# KiCad board jetson-orin-baseboard.kicad_pcb (continued)
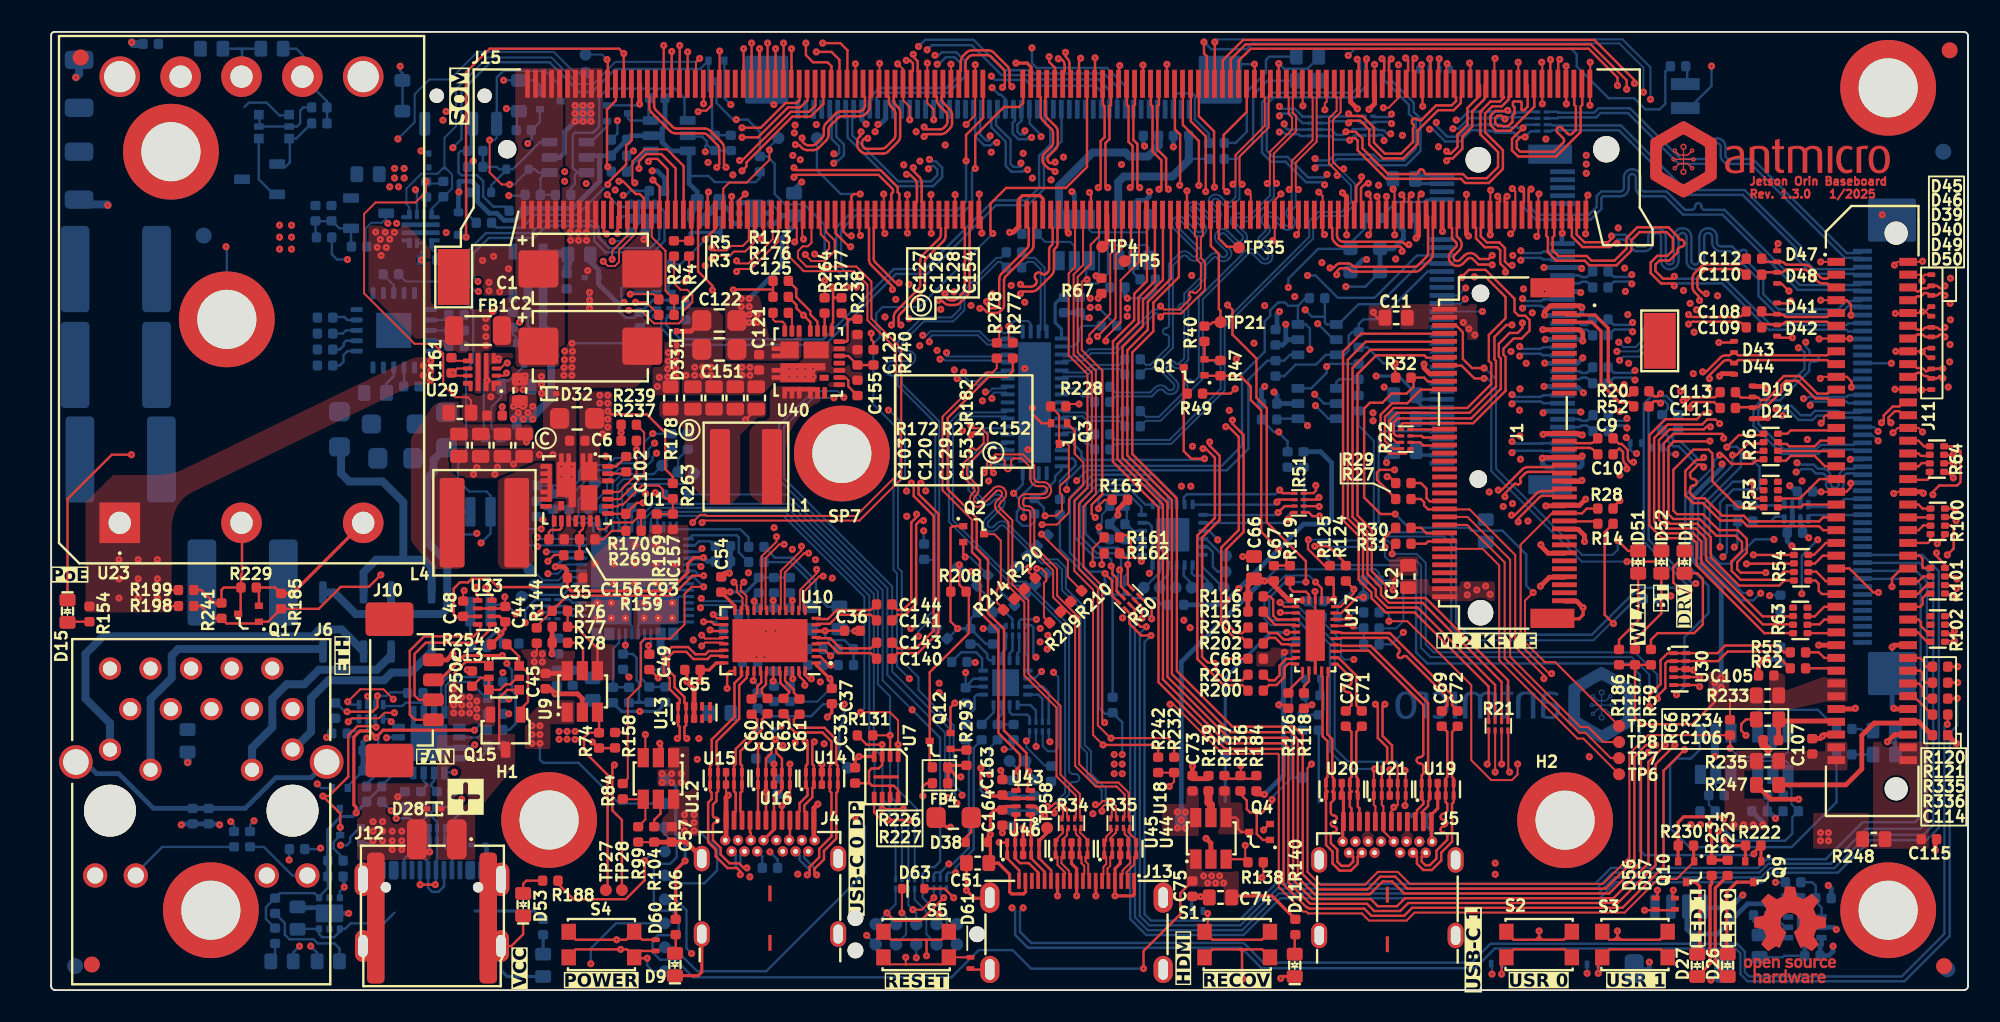
[diagram p0: board, top side]
## Routing (per net, layer and track width the routed paths; a pad name or vN(x,y) marks a point on that pad's centre or on a via; arc(x,y) is an arc through that point) (continued)
/HDMI/HDMI_HPD_5V: length 12.1
  Top w0.155: 60.6,6.75 60.6,7.5 59.85,8.25 U46.10 59.36,9.23 v1(59.35,9.25)
  Top w0.2: R226.2 56.13,13.94 56.72,13.35 v1(56.95,13.35) ; 57.3,14.06 56.25,14.06 ; 56.14,13.95 56.14,12.95
  In5.Cu w0.125: v1(56.95,13.35) 58.25,12.05 58.25,9.45 58.55,9.15 59.25,9.15 v1(59.35,9.25)
/HDMI/HDMI_HPD_5V_R: length 1
  Top w0.15: 57.3,15.03 56.31,15.03
/HDMI/HDMI_SCL_3V3: length 33
  Top w0.15: 58.65,24.25 58.65,26.95 57.94,27.66 57.94,29.56 56.12,31.38 56.12,35.83 58.7,38.4 59.85,38.4 60.2,38.75 60.2,39.56 ; 61.14,12.5 61.14,12.94 61.2,13 v1(61.2,13.7)
  Top w0.155: 58.65,24.25 58.65,23.6 59.65,22.6 59.65,16.25 61.05,14.85 61.05,13.85 v1(61.2,13.7)
  Bottom w0.15: TP57.1 61.2,14.14 v1(61.2,13.7)
  Bottom w0.155: v1(61.2,13.7) 61.55,13.35 61.55,13.14
/HDMI/HDMI_SCL_5V: length 5.2
  Top w0.155: 61.14,11 61.35,10.79 v1(61.35,9.8) 61.35,8.25 62.2,7.4 62.2,6.75
  Bottom w0.155: 61.55,10.27 61.35,10.06 v1(61.35,9.8)
/HDMI/HDMI_SDA_3V3: length 32.3
  Top w0.125: 57.65,29.45 55.8,31.3 55.8,35.9 58.58,38.67 58.92,38.67 59.2,38.95 59.2,39.56
  Top w0.15: 58.15,24.25 58.15,26.92 57.65,27.42 57.65,29.45 ; 60.56,12.5 60.56,13.64 v1(60.5,13.7)
  Top w0.155: 58.15,24.25 58.15,23.65 59.3,22.5 59.3,16.1 60.65,14.75 60.65,14.05 60.5,13.9 v1(60.5,13.7)
  Bottom w0.15: v1(60.5,13.7) 60.5,13.85 TP56.1
  Bottom w0.155: v1(60.5,13.7) 60.15,13.35 60.15,13.14
/HDMI/HDMI_SDA_5V: length 5.8
  Top w0.155: 61.8,6.75 61.8,7.35 61.2,7.95 60.65,7.95 60.35,8.25 U46.9 v1(60.35,9.8) 60.35,10.8 60.56,11
  Bottom w0.155: v1(60.35,9.8) 60.35,10.06 60.15,10.27
/M.2/32.7KHZ_OUT: length 25.4
  Top w0.15: v1(83.63,32.15) 83.77,32.15 R29.2
  In5.Cu w0.15: v1(83.63,32.15) 82.97,32.15 80.04,35.09 79.29,35.09 79.1,34.9 77.55,34.9 77.12,35.33 77.12,39.5 77.72,40.09 77.72,42.48 77.3,42.9 77.3,43.55 77.45,43.7 v1(77.45,44)
  Bottom w0.15: v1(77.45,44) 77.45,44.55 79.32,46.42 81.34,46.42 81.34,46.78 82.27,47.7 82.27,48.35
/M.2/C_PCIE0_TX0_N: length 2.1
  Bottom w0.155: 96.5,44 96.19,44.31 arc(96.14,44.34) 96.08,44.36 95.85,44.36 arc(95.8,44.34) 95.75,44.31 95.73,44.29 arc(95.68,44.26) 95.63,44.25 94.53,44.25
/M.2/C_PCIE0_TX0_P: length 2.1
  Bottom w0.155: 96.5,45 96.19,44.69 arc(96.14,44.66) 96.08,44.64 95.85,44.64 arc(95.8,44.66) 95.75,44.69 95.73,44.71 arc(95.68,44.74) 95.63,44.75 94.53,44.75
/M.2/C_PCIE0_TX1_N: length 2.1
  Bottom w0.155: 94.53,41.25 95.63,41.25 arc(95.68,41.26) 95.73,41.29 95.75,41.31 arc(95.8,41.34) 95.85,41.36 96.08,41.36 arc(96.14,41.34) 96.19,41.31 96.5,41
/M.2/C_PCIE0_TX1_P: length 2.1
  Bottom w0.155: 94.53,41.75 95.63,41.75 arc(95.68,41.74) 95.73,41.71 95.75,41.69 arc(95.8,41.66) 95.85,41.64 96.08,41.64 arc(96.14,41.66) 96.19,41.69 96.5,42
/M.2/C_PCIE0_TX2_N: length 2.1
  Bottom w0.155: 96.5,38 96.19,38.31 arc(96.14,38.34) 96.08,38.36 95.85,38.36 arc(95.8,38.34) 95.75,38.31 95.73,38.29 arc(95.68,38.26) 95.63,38.25 94.53,38.25
/M.2/C_PCIE0_TX2_P: length 2.1
  Bottom w0.155: 96.5,39 96.19,38.69 arc(96.14,38.66) 96.08,38.64 95.85,38.64 arc(95.8,38.66) 95.75,38.69 95.73,38.71 arc(95.68,38.74) 95.63,38.75 94.53,38.75
/M.2/C_PCIE0_TX3_N: length 2.2
  Bottom w0.155: 94.53,35.25 95.63,35.25 arc(95.68,35.26) 95.73,35.29 95.75,35.31 arc(95.8,35.34) 95.85,35.36 96.1,35.36 arc(96.16,35.34) 96.2,35.31 96.52,35
/M.2/C_PCIE0_TX3_P: length 2.2
  Bottom w0.155: 94.53,35.75 95.63,35.75 arc(95.68,35.74) 95.73,35.71 95.75,35.69 arc(95.8,35.66) 95.85,35.64 96.1,35.64 arc(96.16,35.66) 96.2,35.69 96.52,36
/M.2/C_PCIE1_TX0_N: length 2.3
  Top w0.155: C10.2 96.52,33.85 arc(96.41,33.92) 96.27,33.95 95.48,33.95 95.38,33.85 94.75,33.85
/M.2/C_PCIE1_TX0_P: length 2.2
  Top w0.155: C9.2 96.62,34.35 arc(96.51,34.28) 96.37,34.25 95.48,34.25 95.38,34.35 94.75,34.35
/M.2/M2_E_I2C_CLK: length 2
  Top w0.15: 85.33,27.95 86.05,27.95 86.2,28.1 87.25,28.1
/M.2/M2_E_I2C_DAT: length 2.1
  Top w0.15: 85.33,28.95 85.75,28.95 86.1,28.6 87.25,28.6
/M.2/M2_E_PCM_CLK: length 34.8
  Top w0.15: 87.25,41.1 82,41.1 80.88,39.97 80.88,29.42 81.85,28.45 81.85,25.7 82.65,24.9 82.65,24.55 83.55,23.65 85.35,23.65 89.99,19.01 89.99,16.89
/M.2/M2_E_PCM_IN: length 33.4
  Top w0.15: 90.8,16.89 90.8,19.3 85.85,24.25 83.75,24.25 83.25,24.75 83.25,25.21 82.4,26.06 82.4,28.7 81.47,29.63 81.47,38.97 82.6,40.1 87.25,40.1
/M.2/M2_E_PCM_OUT: length 32.9
  Top w0.15: 87.25,39.6 86.1,39.6 85.95,39.75 82.95,39.75 81.78,38.58 81.78,29.72 82.67,28.83 82.67,26.22 83.55,25.35 83.55,24.85 83.85,24.55 86.05,24.55 91.21,19.39 91.21,16.89
/M.2/M2_E_PCM_SYNC: length 34.1
  Top w0.15: 90.39,16.89 90.39,19.11 85.55,23.95 83.65,23.95 82.92,24.67 82.92,25.08 82.12,25.88 82.12,28.58 81.17,29.53 81.17,39.47 82.3,40.6 87.25,40.6
/M.2/M2_E_SUSCLK: length 2.7
  Top w0.15: 87.25,30.6 86.3,30.6 86.1,30.8 86.1,31.4 85.75,31.75 85.33,31.75
/M.2/M2_E_UART_CTS: length 2.2
  Top w0.15: 87.25,34.6 85.9,34.6 85.8,34.7 85.1,34.7
/M.2/M2_E_UART_RTS: length 2.2
  Top w0.15: 87.25,34.1 85.9,34.1 85.7,34.3 R22.6
/M.2/M2_E_UART_RX: length 8.8
  Top w0.15: 85.1,33.9 84.8,33.6 83.8,33.6 83.22,34.18 83.22,36.02 83.95,36.75 84.9,36.75 85.75,37.6 87.25,37.6
/M.2/M2_E_UART_TX: length 2.2
  Top w0.15: R22.8 87.25,35.1
/M.2/M2_E_W_DIS_1: length 20.5
  Top w0.125: 87.23,29.13 88.64,29.13 90.99,26.78 90.99,20.78 95.67,16.11 96.05,16.11 97.63,14.53 TP7.1
/M.2/M2_E_W_DIS_2: length 20.3
  Top w0.125: TP8.1 97.17,15.53 96.22,16.47 95.73,16.47 91.33,20.87 91.33,26.95 88.66,29.63 87.23,29.63
/M.2/M2_M_SMB_CLK: length 22.3
  In1.Cu w0.125: v1(98.19,39.44) 98.47,39.72 99.21,39.72 100.06,40.56 100.06,42.56 99.34,43.28 97.86,43.28 96.39,44.75 92.92,44.75 92.77,44.9 91.62,44.9 90.73,44 90.73,42.88 90.34,42.5 v1(89.6,42.5)
  Bottom w0.125: v1(89.6,42.5) 89.6,42.5 J2.40 ; 100.34,39.93 99.69,39.93 99.43,39.67 98.42,39.67 v1(98.19,39.44)
/M.2/M2_M_SMB_DATA: length 22.7
  In1.Cu w0.125: 88.52,43.28 v1(88.53,43.28) 88.53,42.94 89.4,42.07 90.39,42.07 91,42.68 91,43.91 91.72,44.62 92.64,44.62 92.8,44.47 96.27,44.47 97.75,43 99.21,43 99.79,42.41 99.79,40.69 99.1,40 v1(98.02,40)
  Bottom w0.125: v1(88.53,43.28) 88.25,43 J2.42 ; TP11.1 99.35,40 v1(98.02,40)
/M.2/M2_M_SUSCLK: length 4.3
  Bottom w0.15: 83.23,48.39 84.2,49.35 85.95,49.35 86.1,49.5 87.03,49.5
/M.2/PCIE_WAKE_SEL0: length 2.9
  Bottom w0.15: 81.86,37.23 81.86,38.23 ; 81.85,38.25 80.62,38.25 80.45,38.07 U2.1
/M.2/PCIE_WAKE_SEL1: length 2.1
  Top w0.15: R14.2 96.67,29.35 94.75,29.35
/M.2/USB_E_N: length 8.4
  Top w0.2: 94.75,41.85 94.78,41.83 96.46,41.83 97.03,41.26 97.03,37.96 98.18,36.8 98.82,36.8 99.06,36.55
/M.2/USB_E_P: length 8.5
  Top w0.2: 99.06,37.5 98.82,37.25 98.37,37.25 97.47,38.14 97.47,41.44 96.64,42.28 94.83,42.28 94.75,42.35
/M.2/~{LED1}: length 23.3
  Top w0.15: v1(89.7,38.95) 88.95,38.95 88.38,39.53 88.38,41.2 87.97,41.6 87.25,41.6 ; v1(98.07,28.15) 98.72,27.5 D51.1
  Bottom w0.125: v1(98.07,28.15) 98.07,27.57 97.75,27.25 95.85,27.25 90.46,32.64 90.46,32.9 90.45,32.9 90.45,38.25 89.75,38.95 v1(89.7,38.95)
/M.2/~{LED2}: length 22.5
  Top w0.15: v1(98.65,26.83) 100.68,26.83 100.8,26.95 D52.1 ; 87.25,39.1 88.3,39.1 89.1,38.3 v1(89.7,38.3)
  Bottom w0.125: v1(98.65,26.83) 95.82,26.83 90.15,32.5 90.15,38.05 89.9,38.3 v1(89.7,38.3)
/M.2/~{M2_E_ALERT}: length 20.3
  Top w0.125: 87.23,27.63 89.61,27.63 90.65,26.59 90.65,20.65 95.56,15.75 95.92,15.75 TP6.1
/M.2/~{M2_E_UART_WAKE}: length 37.4
  Top w0.125: v1(92.78,24.89) 92.27,24.39 92.27,21.78 93.52,20.53 94.17,20.53 TP9.1
  Top w0.15: 87.25,38.1 86.2,38.1 85.95,38.35 85.28,38.35 85.28,37.78 84.85,37.35 83.91,37.35 83.34,36.78 82.56,36.78 82.19,36.42 82.19,30.84 83.23,29.81 v1(84.14,29.81)
  Bottom w0.15: v1(92.78,24.89) 92.34,25.33 92.34,27.28 90.85,28.77 88.89,28.77 88.71,28.95 84.99,28.95 v1(84.14,29.81)
/M.2/~{M2_M_ALERT}: length 24.2
  In1.Cu w0.125: v1(88.55,43.97) 88.12,43.54 88.12,43.53 88.05,43.46 88.05,42.89 89.16,41.78 90.52,41.78 91.3,42.56 91.3,43.81 91.83,44.34 92.52,44.34 92.66,44.2 96.05,44.2 97.5,42.74 99.06,42.74 99.51,42.28 99.51,40.81 98.94,40.25 98.46,40.25 v1(98.14,40.56)
  Bottom w0.125: 100.34,42.08 99.64,41.38 99.64,40.72 99.19,40.27 98.43,40.27 v1(98.14,40.56) ; v1(88.55,43.97) 88.08,43.5 J2.44
/M.2/~{M2_M_CLKREQ0}: length 22.1
  In5.Cu w0.15: v1(78.65,35.35) 78.03,35.35 77.55,35.83 77.55,39.4 78,39.85 78,42.17 78.42,42.6 v1(78.5,42.6)
  Bottom w0.15: 87.03,45.5 85.69,45.5 83.14,42.95 81.85,42.95 80.58,41.68 ; 79.73,42.17 79.73,41.8 79.85,41.68 U3.1 ; 79.73,42.17 79.73,43.33 ; 79.73,42.17 78.94,42.17 v1(78.5,42.6) ; 78.22,35.78 v1(78.65,35.35) ; U2.4 76.78,35.78
/M.2/~{M2_M_PERST}: length 13.9
  Bottom w0.15: 87.03,45 86.17,45 83.17,42 82.15,42 81.85,41.7 81.85,41.22 81.45,41.22 81.23,40.99 81.23,40.06 80.95,39.78 U3.3 79.79,39.78 79.18,39.17 77.91,39.17 77.19,38.44 76.65,38.44
/M.2/~{M2_M_PEWAKE0}: length 21.9
  In5.Cu w0.15: v1(79.85,39.05) 79.4,39.05 79.28,39.17 79.28,40.28 79,40.55 78.6,40.55 78.38,40.78 78.38,41.78 78.97,42.38 78.97,42.83 78.65,43.15 v1(78.65,44.75)
  Bottom w0.15: 87.03,46 85.5,46 82.85,43.35 80.55,43.35 79.15,44.75 v1(78.65,44.75) ; U2.6 78.88,37.68 79.85,38.65 v1(79.85,39.05) 80.02,39.22 81.85,39.22
/Peripherals/FAN_PWM_5V: length 10.8
  Top w0.15: 26.85,22.9 26.85,22.56 26.45,22.15 23.35,22.15 22.45,21.25 22.45,17.25 22.77,16.92 23.8,16.92
/Peripherals/FAN_TACH_5V: length 9.4
  Top w0.15: 23.8,18.17 23.02,18.17 22.75,18.45 22.75,21.05 23.45,21.75 26.65,21.75 27.44,22.54 27.44,22.9
/Peripherals/GPIO01_CONN: length 3.6
  Top w0.15: 111.75,33.6 111.6,33.75 108.17,33.75
/Peripherals/GPIO07_CONN: length 4
  Top w0.15: 108.1,33.15 108.6,33.15 108.9,33.45 110.4,33.45 111.05,32.8 111.75,32.8
/Peripherals/GPIO09_CONN: length 4.2
  Top w0.15: J11.35 110.69,32 109.47,30.78 108.1,30.78
/Peripherals/GPIO11_CONN: length 1.4
  Top w0.15: 116.25,29.6 117.65,29.6
/Peripherals/GPIO12_CONN: length 1.5
  Top w0.15: 116.25,30.4 116.9,30.4 117.15,30.15 117.65,30.15
/Peripherals/GPIO13_CONN: length 1.7
  Top w0.15: R64.4 117.6,32.1 117.45,31.95 116.3,31.95
/Peripherals/GPIOEX_ADDR: length 3.1
  Bottom w0.155: 56.36,20.55 56.97,21.15 57.9,21.15 58.28,20.77 58.28,20.07 U34.16
/Peripherals/GPIOEX_I2C_SCL: length 1.5
  Bottom w0.15: 58.25,16.64 59,17.39 U34.12
/Peripherals/GPIOEX_I2C_SDA: length 2.6
  Bottom w0.15: 57.25,16.64 57.25,17.05 57.8,17.6 57.8,18.35 57.95,18.5 U34.13
/Peripherals/GPIOEX_P0_0: length 1.4
  Bottom w0.15: 59.78,21.98 59.78,21.38 59.5,21.1 U34.2
/Peripherals/GPIOEX_P0_1: length 1.4
  Bottom w0.15: U34.3 60,21.08 60.18,21.26 60.18,21.98
/Peripherals/GPIOEX_P0_2: length 1.6
  Bottom w0.15: U34.4 60.5,21.1 60.6,21.2 60.6,22.19 R25.6
/Peripherals/GPIOEX_P0_3: length 2
  Bottom w0.15: 60.99,21.98 60.99,21.06 61.15,20.9 U34.5
/Peripherals/GPIOEX_P0_4: length 3.3
  Bottom w0.15: R195.8 62.45,18.65 62.1,19 U34.7
/Peripherals/GPIOEX_P0_5: length 2.5
  Bottom w0.15: 62.05,16.8 62.05,18.25 61.8,18.5 U34.8
/Peripherals/GPIOEX_P0_6: length 2
  Bottom w0.15: U34.9 61.3,17.85 61.65,17.5 R195.6
/Peripherals/GPIOEX_P0_7: length 2.1
  Bottom w0.15: 61.25,16.8 61.25,17.1 61.1,17.25 60.15,17.25 60,17.4 U34.10
/Peripherals/GPIOEX_RESET: length 2
  Bottom w0.15: U34.1 58.75,20.65 58.6,20.8 58.6,21.05 57.98,21.67 57.55,21.67
/Peripherals/I2C_CONN_3V3: length 10.1
  Bottom w0.3: 108.73,3.28 108.37,3.28 107.53,4.11 107.53,5.14 107.28,5.4 106.2,5.4 104.31,3.51 102.69,3.51 102.4,3.8 102.4,5.22
/Peripherals/I2C_CONN_PEN: length 3.1
  Bottom w0.15: U35.4 110.83,5.17 110.47,5.53 110.47,6.53 110.25,6.75 109.53,6.75
/Peripherals/I2S0_LRCK_CONN: length 2
  Top w0.15: 111.75,27.2 110.9,27.2 110.4,26.7 110,26.7
/Peripherals/I2S0_SCLK_CONN: length 1.9
  Top w0.15: 116.25,28 117.5,28 117.65,28.15 R100.4
/Peripherals/I2S0_SDIN_CONN: length 2.1
  Top w0.15: 111.75,28 111.1,28 110.35,27.25 R54.4
/Peripherals/I2S0_SDOUT_CONN: length 2.1
  Top w0.15: R101.1 117.17,26.43 117.15,26.45 117.15,27.03 116.97,27.2 116.25,27.2
/Peripherals/MISO: length 7.8
  Top w0.15: v1(55.88,5.78) 54.44,4.34 52.81,4.34 v1(52.32,4.83)
  Bottom w0.125: v1(55.88,5.78) 55.66,6 R112.2 ; J9.6 v1(52.32,4.83) 52.86,5.37 R204.4
/Peripherals/MOSI: length 4.6
  Top w0.125: v1(55.26,5.78) 54.52,5.03 v1(53.94,5.03)
  Bottom w0.125: J9.8 54.16,4.82 v1(53.94,5.03) 53.66,5.32 R204.2 ; v1(55.26,5.78) R112.3
  Bottom w0.15: 54.15,4.14 J9.8
/Peripherals/PCIE2_CLKREQ_CONN*: length 3.9
  Top w0.15: R26.3 108.21,34.2 108.65,34.2 108.8,34.05 110.4,34.05 110.75,34.4 111.75,34.4
/Peripherals/PCIE2_RST_CONN*: length 3.8
  Top w0.15: 111.75,35.2 111.6,35.05 108.9,35.05 108.69,34.84 R26.4
/Peripherals/PCIE2_TX0_CONN_N: length 4.3
  Top w0.155: 107.28,42.3 108.3,42.3 arc(108.42,42.28) 108.51,42.21 108.53,42.19 arc(108.58,42.16) 108.64,42.15 111.14,42.15 arc(111.19,42.16) 111.24,42.19 111.45,42.4
/Peripherals/PCIE2_TX0_CONN_P: length 4.3
  Top w0.155: 111.45,41.6 111.24,41.81 arc(111.19,41.84) 111.14,41.85 108.64,41.85 arc(108.58,41.84) 108.53,41.81 108.51,41.79 arc(108.42,41.72) 108.3,41.7 107.28,41.7
/Peripherals/PCIE2_TX1_CONN_N: length 4.6
  Top w0.155: 107.28,45.6 108.3,45.6 arc(108.42,45.58) 108.51,45.51 108.56,45.47 arc(108.61,45.44) 108.66,45.42 109.76,45.42 arc(109.95,45.39) 110.11,45.28 110.74,44.65 arc(110.85,44.58) 110.99,44.55 111.14,44.55 arc(111.19,44.56) 111.24,44.59 111.45,44.8
/Peripherals/PCIE2_TX1_CONN_P: length 4.7
  Top w0.155: 107.24,44.95 D48.1 108.3,44.95 arc(108.42,44.97) 108.51,45.04 108.56,45.08 arc(108.61,45.11) 108.66,45.13 109.7,45.13 arc(109.83,45.1) 109.95,45.02 110.57,44.4 arc(110.73,44.29) 110.93,44.25 111.14,44.25 arc(111.19,44.24) 111.24,44.21 111.45,44
/Peripherals/PCIE3_CLKREQ_CONN*: length 1.4
  Top w0.15: 116.25,33.6 116.9,33.6 117.05,33.45 117.55,33.45
/Peripherals/PCIE3_RST_CONN*: length 1.5
  Top w0.15: 117.6,34.05 117.25,34.05 116.9,34.4 116.25,34.4
/Peripherals/PCIE_WAKE_SEL_EXT_CONN: length 1.4
  Top w0.15: 116.25,32.8 116.9,32.8 117.1,33 117.6,33
/Peripherals/SCK: length 5.4
  Top w0.125: 53.26,4.83 D63.1
  Top w0.15: v1(53.26,4.83) 53.26,4.83
  Bottom w0.125: R204.3 v1(53.26,4.83) 53.52,4.57 53.52,3.49 J9.4
/Peripherals/SPI1_MISO_CONN: length 2
  Top w0.15: R101.4 117.43,24.83 117.15,24.55 117.15,24.15 117,24 116.25,24
/Peripherals/SPI1_MOSI_CONN: length 1.6
  Top w0.15: R101.3 117.41,25.36 116.85,24.8 J11.54
/Peripherals/SPI1_SCK_CONN: length 1.5
  Top w0.15: R101.2 117.2,25.9 116.9,25.6 J11.52
/Peripherals/SPIO_MISO_CONN: length 2
  Top w0.15: 109.95,23.4 110.4,23.4 111,24 111.75,24
/Peripherals/SPIO_MOSI_CONN: length 2.4
  Top w0.15: 110,25.65 110.45,25.65 110.65,25.45 110.65,25 110.85,24.8 J11.53
/Peripherals/SPIO_SCK_CONN: length 2
  Top w0.15: J11.51 111.1,25.6 110.5,26.2 110,26.2
/Peripherals/UART1_RXD_CONN: length 3.7
  Top w0.15: 111.75,30.4 109.7,30.4 109.55,30.25 108.1,30.25
/Peripherals/UART1_TXD_CONN: length 1.5
  Top w0.15: 116.25,28.8 116.9,28.8 117.2,29.1 117.65,29.1
/Peripherals/USB_CONN_N: length 16.6
  Top w0.155: 111.75,29.6 110.92,29.6 110.67,29.35 106.31,29.35 105.96,29.7 104.61,29.7 103.51,30.8 102.91,30.8 102.6,31.11 102.6,31.4 arc(102.66,31.54) 102.8,31.6 102.82,31.6 arc(102.96,31.66) 103.02,31.8 arc(102.96,31.94) 102.82,32 102.8,32 arc(102.66,32.06) 102.6,32.2 102.6,32.39 103.11,32.9 103.3,32.9 v1(103.45,32.75)
  Bottom w0.155: 100.85,35.06 101.2,34.71 101.2,34.39 101.54,34.05 101.89,34.05 103.04,32.9 103.3,32.9 v1(103.45,32.75)
/Peripherals/USB_CONN_P: length 16.6
  Top w0.155: v1(103.45,33.35) 103.3,33.2 102.99,33.2 102.3,32.51 102.3,30.99 102.79,30.5 103.39,30.5 104.49,29.4 105.84,29.4 106.19,29.05 110.67,29.05 110.92,28.8 111.75,28.8
  Bottom w0.155: 101.85,35.06 101.5,34.71 101.5,34.51 101.66,34.35 102.01,34.35 103.16,33.2 103.3,33.2 v1(103.45,33.35)
/Peripherals/USBSS2_TX_CONN_N: length 7.6
  Top w0.155: 111.45,37.6 111.2,37.35 110.56,37.35 109.46,38.45 108.46,38.45 108,37.99 108,37.59 107.36,36.95 107.02,36.95 106.87,37.1 105.78,37.1 105.44,37.44
/Peripherals/USBSS2_TX_CONN_P: length 7.5
  Top w0.155: 105.44,36.45 105.49,36.5 106.87,36.5 107.02,36.65 107.49,36.65 108.3,37.46 108.3,37.86 108.59,38.15 109.34,38.15 110.44,37.05 111.2,37.05 111.45,36.8
/Peripherals/~{CS}: length 4
  Bottom w0.125: R204.1 54.06,5.66 54.79,4.93 54.79,3.5 J9.2
/Peripherals/~{SPI0_CS0_CONN}: length 1.9
  Top w0.15: 109.95,22.9 110.7,22.9 111,23.2 111.75,23.2
/Peripherals/~{SPI0_CS1_CONN}: length 1.8
  Top w0.15: 109.95,22.35 111.6,22.35 111.7,22.45
/Peripherals/~{SPI1_CS0_CONN}: length 1.9
  Top w0.15: R102.3 117.51,22.34 117.05,22.8 117.05,23.05 116.9,23.2 116.25,23.2
/Peripherals/~{SPI1_CS1_CONN}: length 1.6
  Top w0.15: R102.4 117.44,21.81 116.85,22.4 116.25,22.4
/SoM/DEBUG_RXD_1V8: length 3.2
  Top w0.15: 35.1,48.54 35.1,49.52 v1(34.81,49.81)
  Bottom w0.15: 36.3,49.06 35.56,49.06 v1(34.81,49.81)
/SoM/DEBUG_TXD_1V8: length 2.9
  Top w0.15: 35.6,48.54 35.46,48.41 v1(35.46,47.38)
  Bottom w0.15: 36.3,48.47 35.81,48.47 35.46,48.11 v1(35.46,47.38)
/SoM/PMIC_BBAT: length 95.6
  Top w0.15: 35.85,56.74 35.85,58.65 v1(35.85,58.65) 35.55,58.95 27.45,58.95 25.97,57.47 v1(25.97,47.15)
  In2.Cu w0.15: v1(35.85,58.65) 35.85,57.8 36.15,57.5 47.75,57.5 49.78,59.53 71.08,59.53 71.75,58.85 80.88,58.85 v1(81.2,58.53)
  Bottom w0.15: v1(81.2,58.53) 81.62,58.95 95.15,58.95 95.5,58.6 95.5,57.85 97.5,55.85 99.1,55.85 99.8,55.15 100.7,55.15 101.05,55.5 101.05,57.53 101.37,57.85 ; D34.1 25.65,47.15 v1(25.97,47.15)
/SoM/SLEEP/~{WAKE}: length 33.1
  Top w0.15: 34.6,48.54 34.6,47.53 v1(34.77,47.35)
  In1.Cu w0.15: v1(21.71,53.3) 23.8,53.3 30.65,46.45 33.87,46.45 v1(34.77,47.35)
  Bottom w0.125: TP2.1 32.77,57.45 31.47,58.75 26.69,58.75 24.96,57.02 23.68,57.02 22.76,56.1 22.76,54.35 v1(21.71,53.3)
/SoM/~{FORCE_RECOVERY}: length 77.7
  Top w0.125: v1(72.4,4.8) 72.4,3.85 S1.1
  Top w0.15: v1(41.15,49.97) 41.1,49.92 41.1,48.54
  Top w0.155: S1.2 75.8,3.15 72.7,3.15 S1.1
  In1.Cu w0.15: v1(41.15,49.97) 40.47,49.3 40.47,44.8 40.67,44.6 41.9,44.6 42.18,44.32 44.77,44.32 45.43,43.66 45.43,41.71 45.84,41.3 47.26,41.3 52.25,36.31 v1(52.41,36.31)
  In5.Cu w0.125: v1(72.4,4.8) 71.65,4.8 71.25,5.2 71.25,8.45 70.95,8.75 58.15,8.75 57.9,9 57.9,11.33 v1(57.03,12.2)
  Bottom w0.125: v1(72.4,4.8) 72.25,4.95 72.1,4.95 ; v1(57.03,12.2) 57.03,12.32 56.5,12.85 56.5,16.58 54.3,18.78 54.3,19.58 53.25,20.62 53.25,26.2 53.02,26.44 53.02,31.75 53.45,32.18 53.45,35.33 52.47,36.31 v1(52.41,36.31)
/SoM/~{MOD_SLEEP}: length 7.1
  Top w0.15: 50.1,48.54 50.1,49.7 50.25,49.85 v1(50.65,49.85)
  Bottom w0.15: v1(50.65,49.85) 49.43,49.85 47.94,51.34 TP3.1
/USB3/USBC1_ADDR: length 2.9
  Top w0.15: 80.34,22.81 81.5,22.81 v1(81.5,22.8)
  Bottom w0.15: v1(81.5,22.8) 81.65,22.65 82.17,22.65 82.17,21.65
/USB3/USBC1_CC1: length 18.3
  Top w0.13: 82.8,12.06 82.8,11.6 82.9,11.5 J5.A5 ; U21.10 82.8,12.19 ; 82.8,12.83 82.8,13.8 v1(82.85,13.85) ; v1(76.95,23.65) 77,23.61 77.94,23.61
  Bottom w0.13: v1(76.95,23.65) 78.05,23.65 80.05,21.65 80.05,14.95 81.15,13.85 v1(82.85,13.85)
/USB3/USBC1_CC2: length 28.2
  Top w0.13: 84.8,12.83 84.8,13.7 v1(84.75,13.75) ; v1(84.75,11.55) 84.8,11.6 84.8,12.06 ; v1(76.93,24.27) 77.19,24 77.91,24 ; 84.8,12.19 84.8,12.96
  In3.Cu w0.13: v1(84.75,11.55) 84.75,10.75 85.15,10.35 86.65,10.35 87.35,9.65 87.35,9.15 86.95,8.75 86.95,8.25 86.35,7.65 84.95,7.65 84.45,8.15 J5.B5
  Bottom w0.13: v1(84.75,13.75) 84.2,14.3 81.2,14.3 80.35,15.15 80.35,21.75 77.83,24.27 v1(76.93,24.27)
/USB3/USBC1_CONN_TX1_N: length 6.2
  Top w0.155: 81.3,12.31 81.4,12.41 81.4,12.44 81.3,12.54 81.3,12.96 ; 81.3,12.83 81.3,13.25 81.4,13.35 81.4,16.16 81.05,16.52 ; 81.3,12.06 81.3,11.48 81.4,11.38 J5.A2
/USB3/USBC1_CONN_TX1_P: length 6.2
  Top w0.155: J5.A3 81.9,11.38 81.8,11.48 81.8,12.06 ; 81.8,12.96 81.8,12.54 81.7,12.44 81.7,12.41 81.8,12.31 ; 81.8,12.83 81.8,13.25 81.7,13.35 81.7,16.16 82.05,16.52
/USB3/USBC1_CONN_TX2_N: length 11.7
  Top w0.155: 87.05,16.52 87.4,16.16 87.4,13.35 87.3,13.25 87.3,12.83 ; J5.B2 85.8,8.35 85.8,8.04 86.02,7.82 86.31,7.82 86.72,8.23 86.72,8.73 87.4,9.41 87.4,9.65 arc(87.34,9.79) 87.2,9.85 87.18,9.85 arc(87.04,9.91) 86.98,10.05 arc(87.04,10.19) 87.18,10.25 87.2,10.25 arc(87.34,10.31) 87.4,10.45 arc(87.34,10.59) 87.2,10.65 87.18,10.65 arc(87.04,10.71) 86.98,10.85 arc(87.04,10.99) 87.18,11.05 87.2,11.05 arc(87.34,11.11) 87.4,11.25 87.4,11.67 87.3,11.77 U19.4 ; 87.3,12.19 87.3,12.96
/USB3/USBC1_CONN_TX2_P: length 11.7
  Top w0.155: J5.B3 85.5,8.35 85.5,7.92 85.9,7.52 86.43,7.52 87.02,8.11 87.02,8.61 87.7,9.29 87.7,11.67 87.8,11.77 U19.5 ; 88.05,16.52 87.7,16.16 87.7,13.35 87.8,13.25 87.8,12.83 ; 87.8,12.19 87.8,12.96
/USB3/USBC1_DIR: length 1.6
  Top w0.15: 78.34,20 78.34,19.64 77.45,18.75
/USB3/USBC1_FAULT_N: length 3.3
  Top w0.15: v1(82.15,24.6) 81.75,24.6 80.75,23.61 80.34,23.61
  Bottom w0.15: 82.17,25.65 82.15,25.64 v1(82.15,24.6)
/USB3/USBC1_I2C_SDA: length 4.7
  Top w0.15: 80.36,24 80.7,24 81.55,24.85 v1(81.55,25.1) 81.05,25.6 81.05,25.61
  Bottom w0.125: 80.53,23.35 80.53,24.08 v1(81.55,25.1)
/USB3/USBC1_I_MODE: length 3.2
  Top w0.15: 77.94,23.2 76.81,23.2 76.8,23.2 76.75,23.2 76.5,23.45 76.5,24.45 76.3,24.65 75.89,24.65
/USB3/USBC1_ID: length 27.7
  Top w0.15: v1(76.43,11.93) 76.43,11.73 75.83,11.12 75.58,11.12 ; 75.47,11.03 75.47,9.78 75.85,9.4 Q4.1 ; 75.47,11.03 75.58,11.12 ; 75.47,11.03 75.47,11.12 ; 75.47,11.03 75.38,11.12 75.33,11.12 ; v1(79.15,25.55) 79.54,25.16 79.54,24.41 ; 75.33,11.12 75.05,11.12 74.85,11.33 74.85,11.86 74.45,12.27 ; 75.33,11.12 75.47,11.12 ; 75.58,11.12 75.47,11.12
  Bottom w0.125: TP31.1 77.69,13.31 77.65,13.36 ; v1(79.15,25.55) 78.74,25.96 77.26,25.96 75.95,24.65 75.95,23.25 76.35,22.85 77.6,22.85 77.85,22.6 77.85,21.75 77.65,21.55 77.65,16.55 ; 77.65,13.36 77.65,16.15 ; 77.65,13.36 77.65,13.3 76.43,12.07 v1(76.43,11.93) ; 77.65,16.15 77.65,16.55 ; 77.65,16.15 77.77,16.27 77.65,16.38 77.65,16.55
  Bottom w0.15: 78.35,16.27 77.77,16.27
/USB3/USBC1_ISC_SCL: length 2.3
  Top w0.15: 80.05,25.61 80.29,25.37 v1(80.29,24.49) 80.2,24.41 79.94,24.41
  Bottom w0.125: 79.64,24.35 80.15,24.35 v1(80.29,24.49)
/USB3/USBC1_ISET: length 1.5
  Top w0.5: 72.45,12.27 72.45,11.75 72.6,11.6 U18.5
/USB3/USBC1_PORT: length 2.4
  Top w0.15: 75.89,23.61 76.62,22.88 77.86,22.88 77.94,22.81
/USB3/USBC1_RX1_N: length 15.3
  Top w0.155: U20.10 79.8,12.54 79.9,12.44 79.9,12.41 79.8,12.31 ; 79.8,12.83 79.8,13.25 79.9,13.35 79.9,15.59 79.59,15.9 79.59,19.62 79.54,19.67 79.54,20 ; 79.8,12.19 79.8,11.73 79.81,11.72 79.81,9.08 80.22,8.67 80.22,8.62
  Top w0.165: 80.22,8.62 80.22,7.92 80.66,7.48 81.36,7.48 81.8,7.92 81.8,8.34 J5.B10
/USB3/USBC1_RX1_P: length 15.3
  Top w0.155: U20.9 80.3,12.54 80.2,12.44 80.2,12.41 80.3,12.31 ; 80.51,8.74 80.51,8.8 80.11,9.2 80.11,9.71 arc(80.16,9.83) 80.28,9.89 80.31,9.89 arc(80.43,9.94) 80.48,10.06 arc(80.43,10.18) 80.31,10.24 80.28,10.24 arc(80.16,10.29) 80.11,10.41 arc(80.16,10.53) 80.28,10.59 80.31,10.59 arc(80.43,10.64) 80.48,10.76 arc(80.43,10.88) 80.31,10.94 80.28,10.94 arc(80.16,10.99) 80.11,11.11 80.11,11.72 80.3,11.91 80.3,12.19 ; 80.3,12.83 80.3,13.25 80.2,13.35 80.2,15.71 79.89,16.02 79.89,19.62 79.94,19.67 79.94,20
  Top w0.165: J5.B11 81.5,8.34 81.5,8.04 81.24,7.77 80.78,7.77 80.51,8.04 80.51,8.74
/USB3/USBC1_RX2_N: length 14.6
  Top w0.155: 85.8,13.25 85.8,13.45 85.9,13.55 85.9,13.99 arc(85.84,14.13) 85.7,14.19 85.68,14.19 arc(85.54,14.25) 85.48,14.39 arc(85.54,14.53) 85.68,14.59 85.7,14.59 arc(85.84,14.65) 85.9,14.79 85.9,17.84 82.48,21.26 80.77,21.26 80.71,21.2 80.34,21.2 ; 85.8,12.06 85.8,11.94 85.9,11.84 85.9,11.65 85.5,11.25 85.5,11.1 85.4,11 ; 85.8,12.19 U19.10
  Top w0.165: 85.8,13.25 85.8,12.83
/USB3/USBC1_RX2_P: length 14.6
  Top w0.155: 86.3,12.19 U19.9 ; 86.3,13.25 86.3,13.45 86.2,13.55 86.2,17.96 82.61,21.55 80.77,21.55 80.71,21.61 80.34,21.61 ; 86.3,12.06 86.3,11.94 86.2,11.84 86.2,11.53 85.8,11.13 85.8,11.1 85.9,11
  Top w0.165: 86.3,13.25 86.3,12.83
/USB3/USBC1_TX1_N: length 4.2
  Top w0.155: 81.05,17.48 81.4,17.84 81.4,18.46 arc(81.34,18.6) 81.2,18.66 81.13,18.66 arc(80.99,18.72) 80.93,18.86 arc(80.99,19) 81.13,19.06 81.2,19.06 arc(81.34,19.12) 81.4,19.26 81.4,19.54 80.53,20.41 80.36,20.41
/USB3/USBC1_TX1_P: length 4.2
  Top w0.155: 80.34,20.81 80.59,20.81 81.7,19.7 81.7,17.84 82.05,17.48
/USB3/USBC1_TX2_N: length 10.1
  Top w0.155: 87.05,17.48 87.4,17.84 87.4,18.34 84.86,20.87 arc(84.74,20.93) 84.62,20.87 84.58,20.84 arc(84.46,20.79) 84.34,20.84 arc(84.28,20.96) 84.34,21.09 84.37,21.12 arc(84.42,21.25) 84.37,21.37 83.68,22.06 80.77,22.06 80.71,22 80.34,22
/USB3/USBC1_TX2_P: length 10.1
  Top w0.155: 80.34,22.41 80.71,22.41 80.77,22.35 83.81,22.35 87.7,18.46 87.7,17.84 88.05,17.48
/USB3/USBC1_VBUS: length 63
  Top w0.15: v1(68.39,1.34) 68.39,2.44 70.69,4.75 70.69,6.07 C75.1
  Top w0.2: 73.9,5.9 76.42,5.9 77.89,4.44
  Bottom w0.15: TP29.1 38.42,9.77 39.16,9.03 39.16,8.31 38.75,7.91 38.01,7.91 37.73,7.62 37.73,5.16 37.91,4.97 38.89,4.97 39.29,4.57 39.29,3.77 38.95,3.44 37.97,3.44 37.65,3.11 37.65,2.37 38.11,1.91 39.08,1.91 40.19,0.8 56.36,0.8 58.06,2.5 60.19,2.5 61.34,1.34 v1(68.39,1.34) ; 79.35,16.27 79.35,11.75
  Bottom w0.2: 73.5,14.77 73.5,11.8
  vias: v1(72.15,7.15) v1(72.4,6.7) v1(72.65,7.15) v1(72.9,6.7) v1(73.15,7.15) v1(73.4,6.7)
/USB3/USBC1_VBUS_DET: length 9.4
  Top w0.15: v1(77.35,22.4) 77.36,22.41 77.94,22.41
  Bottom w0.2: v1(77.35,22.4) 76.35,22.4 73.5,19.55 73.5,15.73
